# Allegro board 8880F5-0823_1_maisha.brd (continued)
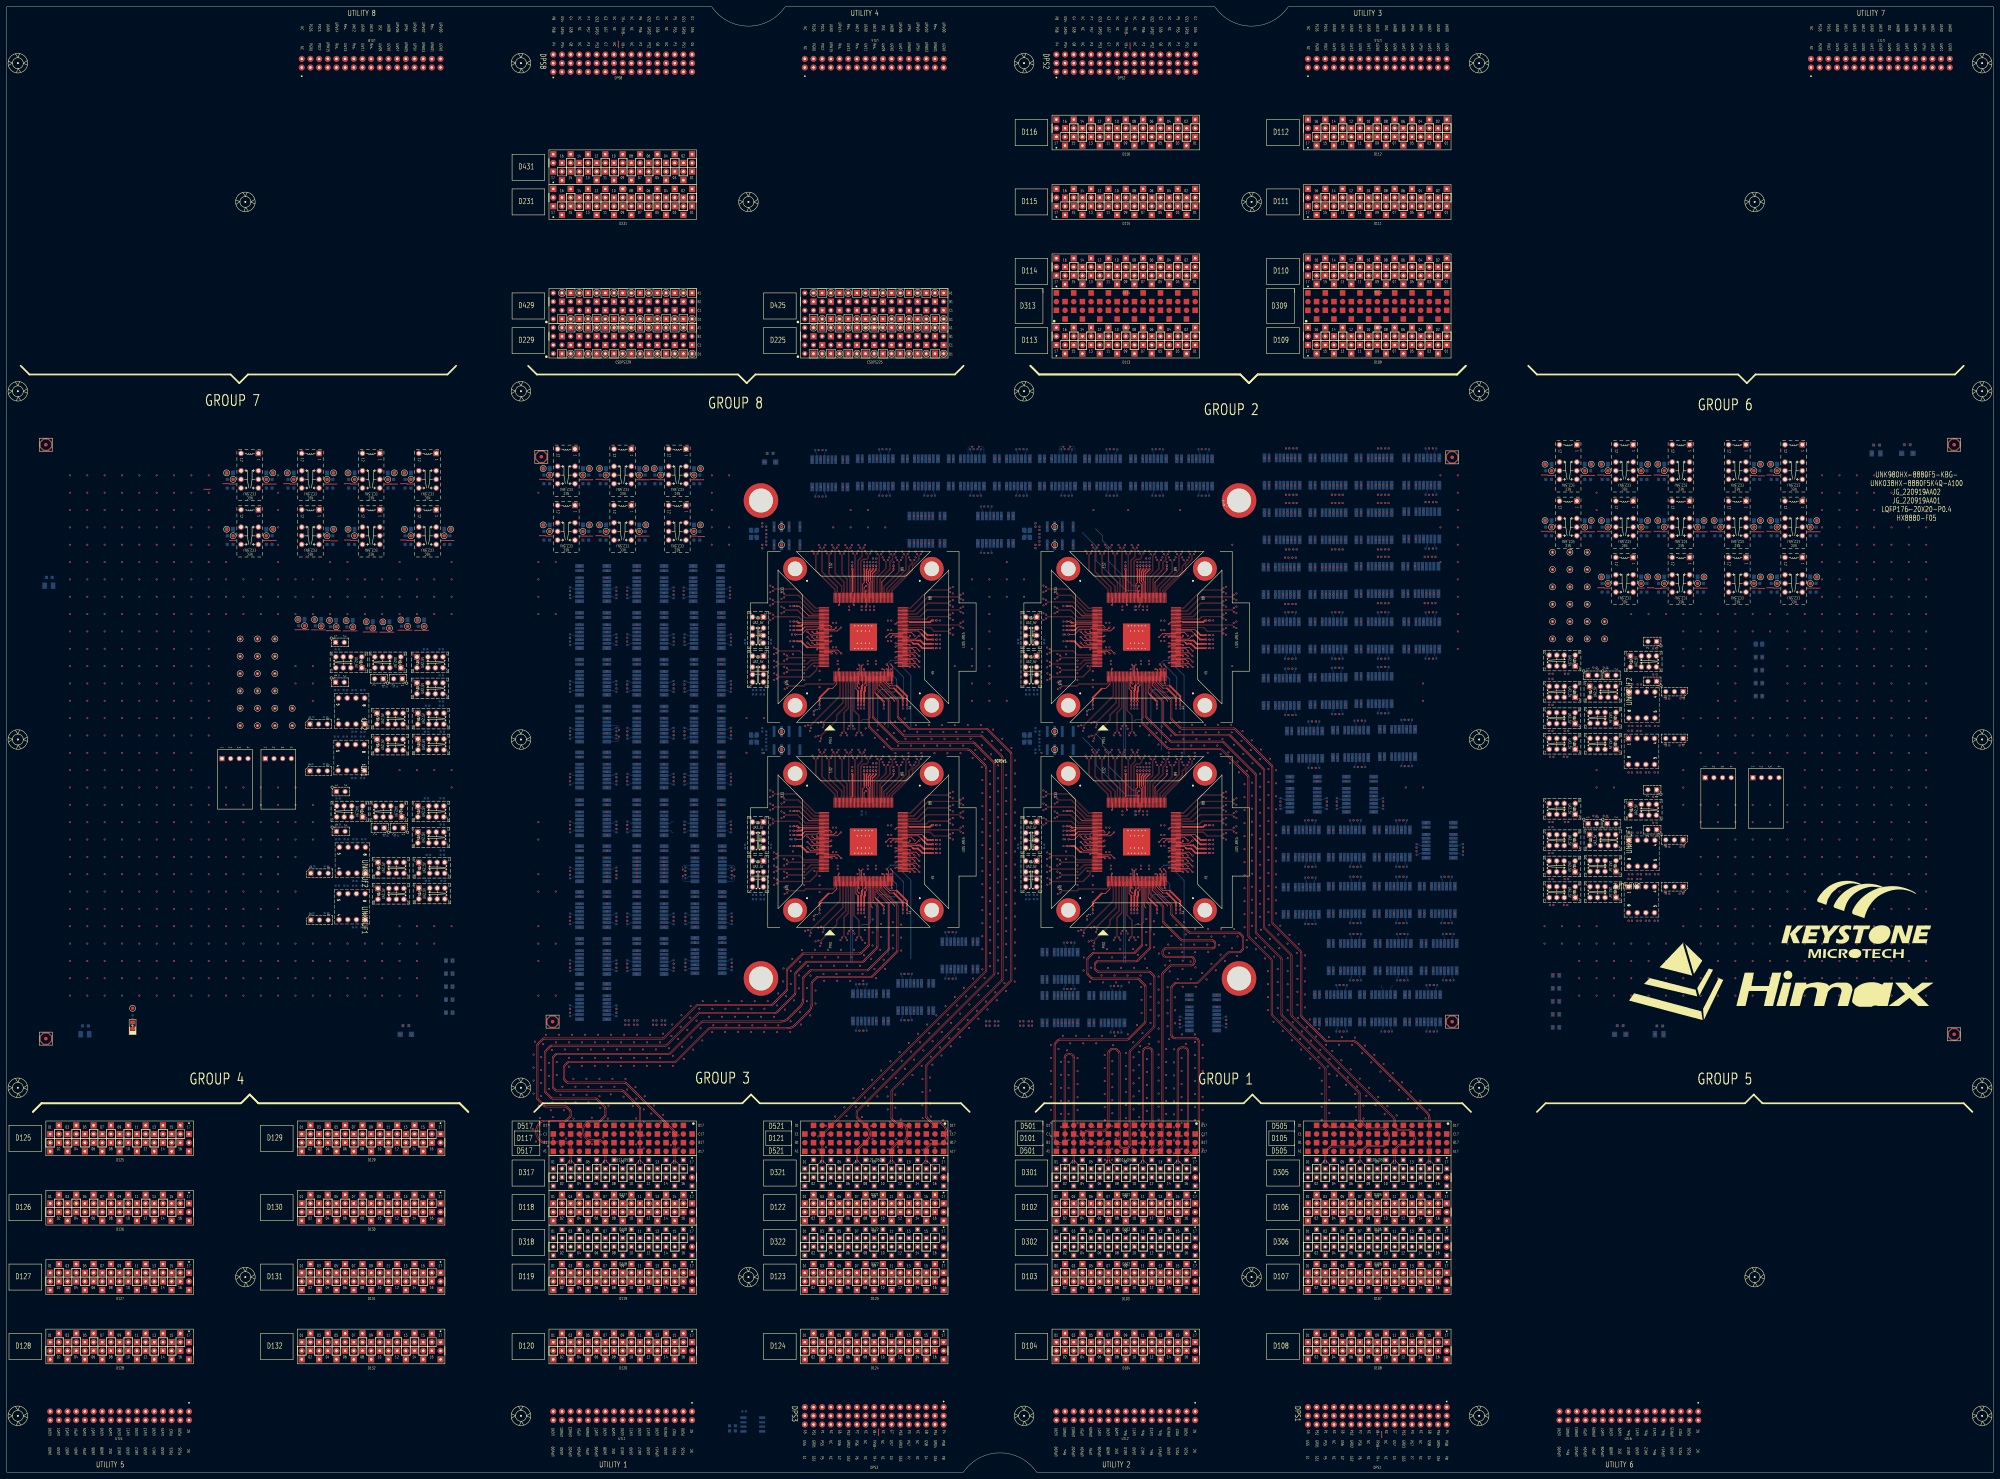
[diagram p0: board, top side]
## Routing (per net, layer and track width the routed paths; a pad name or vN(x,y) marks a point on that pad's centre or on a via; arc(x,y) is an arc through that point) (continued)
  BOTTOM w0.119: v1(179.25,215.49) 179.25,214.56 arc(179.09,214.17) 178.7,214 K1.G5 ; v1(213.04,176.52) 213.04,177.36 arc(212.92,177.64) 212.64,177.76 UNK3K27.G3 ; v1(284.64,300.41) 285.57,300.41 arc(285.96,300.25) 286.12,299.85 K21.G5 ; CC40.2 v1(257.99,246.67) ; v1(309.38,300.41) 308.54,300.41 arc(308.26,300.3) 308.14,300.02 K4.G3 ; UNK3K27.G6 198.49,173.11 arc(198.1,173.27) 197.94,173.67 v1(197.94,174.59) ; UNK3K27.G8 198.33,177.76 arc(198.05,177.64) 197.94,177.36 v1(197.94,176.52) ; v1(311.31,300.41) 312.24,300.41 arc(312.63,300.25) 312.79,299.85 K4.G5 ; v1(179.25,217.42) 179.25,218.26 arc(179.14,218.54) 178.86,218.65 K1.G3 ; v1(213.04,174.59) 213.04,173.67 arc(212.87,173.27) 212.48,173.11 UNK3K27.G5 ; K21.G3 281.47,300.02 arc(281.59,300.3) 281.87,300.41 v1(282.71,300.41)
  BOTTOM w0.381: v1(230.42,187.93) UNK3CC4.2 ; v1(256.77,224.73) CC13.2 ; v1(272.24,243.91) CC33.2 ; CC32.2 v1(262.36,224.73) ; UNK3CD11.2 v1(259.65,205.56) UNK3CC28.2 ; v1(310.42,187.93) UNK4CC4.2 ; UNK2CD11.2 v1(339.65,265.56) UNK2CC28.2 ; UNK2CC17.2 v1(310.42,253.69) UNK2CD12.2 ; CC30.2 v1(230.42,243.41) CD19.2 ; v1(250.17,164.73) UNK3CC6.2 ; v1(253.72,205.56) UNK3CC26.2 ; UNK4CC27.2 v1(352.24,189.5) UNK4CD10.2 ; v1(272.24,181.37) UNK3CC35.2 ; UNK2CC8.2 v1(343.63,224.73) ; v1(317.98,164.73) UNK4CC1.2 ; UNK4CD15.2 v1(352.24,185.18) UNK4CC25.2 ; CC28.2 v1(259.65,265.56) CD11.2 ; v1(330.17,164.73) UNK4CC6.2 ; v1(237.98,164.73) UNK3CC1.2 ; UNK3CD24.2 v1(247.57,205.56) UNK3CC38.2 ; UNK3CC41.2 v1(230.42,189.2) UNK3CD25.2 ; v1(331.94,205.56) UNK4CC34.2 ; v1(331.06,224.73) UNK2CC11.2 ; v1(230.42,186.66) UNK3CC7.2 ; v1(331.94,265.56) UNK2CC34.2 ; UNK4CC17.2 v1(310.42,193.69) UNK4CD12.2 ; v1(230.42,247.93) CC4.2 ; v1(331.06,164.73) UNK4CC11.2 ; v1(310.42,186.66) UNK4CC7.2 ; CD24.2 v1(247.57,265.56) CC38.2 ; UNK2CC38.2 v1(327.57,265.56) UNK2CD24.2 ; UNK2CD10.2 v1(352.24,249.5) UNK2CC27.2 ; v1(352.24,243.91) UNK2CC33.2 ; v1(334.61,265.56) UNK2CC9.2 ; v1(272.24,241.37) CC35.2 ; v1(330.17,224.73) UNK2CC6.2 ; CC8.2 v1(263.63,224.73) ; v1(333.72,205.56) UNK4CC26.2 ; CC27.2 v1(272.24,249.5) CD10.2 ; v1(250.17,224.73) CC6.2 ; v1(310.42,247.93) UNK2CC4.2 ; UNK4CC8.2 v1(343.63,164.73) ; v1(317.98,224.73) UNK2CC1.2 ; UNK3CC27.2 v1(272.24,189.5) UNK3CD10.2 ; v1(230.42,246.66) CC7.2 ; UNK4CC30.2 v1(310.42,183.41) UNK4CD19.2 ; UNK2CC25.2 v1(352.24,245.18) UNK2CD15.2 ; UNK3CC30.2 v1(230.42,183.41) UNK3CD19.2 ; UNK4CC38.2 v1(327.57,205.56) UNK4CD24.2 ; UNK4CC28.2 v1(339.65,205.56) UNK4CD11.2 ; v1(237.98,224.73) CC1.2 ; v1(249.28,164.73) UNK3CC31.2 ; v1(336.77,224.73) UNK2CC13.2 ; CD12.2 v1(230.42,253.69) CC17.2 ; UNK3CD15.2 v1(272.24,185.18) UNK3CC25.2 ; v1(251.05,265.56) CC22.2 ; v1(254.61,265.56) CC9.2 ; CC25.2 v1(272.24,245.18) CD15.2 ; v1(329.28,164.73) UNK4CC31.2 ; v1(272.24,182.64) UNK3CC36.2 ; UNK4CC41.2 v1(310.42,189.2) UNK4CD25.2 ; UNK3CC8.2 v1(263.63,164.73) ; v1(272.24,183.91) UNK3CC33.2 ; v1(256.77,164.73) UNK3CC13.2 ; v1(352.24,241.37) UNK2CC35.2 ; UNK3CC32.2 v1(262.36,164.73) ; CC41.2 v1(230.42,249.2) CD25.2 ; v1(336.77,164.73) UNK4CC13.2 ; v1(272.24,242.64) CC36.2 ; v1(352.24,181.37) UNK4CC35.2 ; v1(249.28,224.73) CC31.2 ; UNK2CD25.2 v1(310.42,249.2) UNK2CC41.2 ; v1(252.83,265.56) CC19.2 ; v1(251.94,265.56) CC34.2 ; UNK4CC32.2 v1(342.36,164.73) ; v1(254.61,205.56) UNK3CC9.2 ; v1(352.24,182.64) UNK4CC36.2 ; v1(310.42,246.66) UNK2CC7.2 ; UNK3CC17.2 v1(230.42,193.69) UNK3CD12.2 ; v1(333.72,265.56) UNK2CC26.2 ; v1(332.83,205.56) UNK4CC19.2 ; v1(251.06,224.73) CC11.2 ; v1(331.05,205.56) UNK4CC22.2 ; v1(332.83,265.56) UNK2CC19.2 ; v1(334.61,205.56) UNK4CC9.2 ; UNK2CC30.2 v1(310.42,243.41) UNK2CD19.2 ; v1(352.24,242.64) UNK2CC36.2 ; v1(331.05,265.56) UNK2CC22.2 ; v1(251.94,205.56) UNK3CC34.2 ; v1(251.06,164.73) UNK3CC11.2 ; UNK2CC32.2 v1(342.36,224.73) ; v1(252.83,205.56) UNK3CC19.2 ; v1(352.24,183.91) UNK4CC33.2 ; v1(251.05,205.56) UNK3CC22.2 ; v1(329.28,224.73) UNK2CC31.2 ; v1(253.72,265.56) CC26.2
  vias: v1(18.48,292.01) v1(18.48,286.93) v1(18.48,281.85) v1(18.48,276.77) v1(18.48,271.69) v1(18.48,266.61) v1(18.48,261.53) v1(18.48,256.45) v1(18.48,251.37) v1(18.48,246.29) v1(18.48,241.21) v1(18.48,236.13) v1(18.48,231.05) v1(18.48,225.97) v1(18.48,220.89) v1(18.48,215.81) v1(18.48,210.73) v1(18.48,205.65) v1(18.48,200.57) v1(18.48,195.49) v1(18.48,190.41) v1(18.48,185.33) v1(18.48,180.25) v1(18.48,175.17) v1(18.48,170.09) v1(18.48,165.01) v1(18.48,159.93) v1(18.48,154.85) v1(18.48,149.77) v1(18.48,144.69) v1(18.48,139.61) v1(23.56,292.01) v1(23.56,286.93) v1(23.56,281.85) v1(23.56,276.77) v1(23.56,271.69) v1(23.56,266.61) v1(23.56,261.53) v1(23.56,256.45) v1(23.56,251.37) v1(23.56,246.29) v1(23.56,241.21) v1(23.56,236.13) v1(23.56,231.05) v1(23.56,225.97) v1(23.56,220.89) v1(23.56,215.81) v1(23.56,210.73) v1(23.56,205.65) v1(23.56,200.57) v1(23.56,195.49) v1(23.56,190.41) v1(23.56,185.33) v1(23.56,180.25) v1(23.56,175.17) v1(23.56,170.09) v1(23.56,165.01) v1(23.56,159.93) v1(23.56,154.85) v1(23.56,149.77) v1(23.56,144.69) v1(23.56,139.61) v1(28.64,292.01) v1(28.64,286.93) v1(28.64,281.85) v1(28.64,276.77) v1(28.64,271.69) v1(28.64,266.61) v1(28.64,261.53) v1(28.64,256.45) v1(28.64,251.37) v1(28.64,246.29) v1(28.64,241.21) v1(28.64,236.13) v1(28.64,231.05) v1(28.64,225.97) v1(28.64,220.89) v1(28.64,215.81) v1(28.64,210.73) v1(28.64,205.65) v1(28.64,200.57) v1(28.64,195.49) v1(28.64,190.41) v1(28.64,185.33) v1(28.64,180.25) v1(28.64,175.17) v1(28.64,170.09) v1(28.64,165.01) v1(28.64,159.93) v1(28.64,154.85) v1(28.64,149.77) v1(28.64,144.69) v1(28.64,139.61) v1(33.72,292.01) v1(33.72,286.93) v1(33.72,281.85) v1(33.72,276.77) v1(33.72,271.69) v1(33.72,266.61) v1(33.72,261.53) v1(33.72,256.45) v1(33.72,251.37) v1(33.72,246.29) v1(33.72,241.21) v1(33.72,236.13) v1(33.72,231.05) v1(33.72,225.97) v1(33.72,220.89) v1(33.72,215.81) v1(33.72,210.73) v1(33.72,205.65) v1(33.72,200.57) v1(33.72,195.49) v1(33.72,190.41) v1(33.72,185.33) v1(33.72,180.25) v1(33.72,175.17) v1(33.72,170.09) v1(33.72,165.01) v1(33.72,159.93) v1(33.72,154.85) v1(33.72,149.77) v1(33.72,144.69) v1(33.72,139.61) v1(38.8,292.01) v1(38.8,286.93) v1(38.8,281.85) v1(38.8,276.77) v1(38.8,271.69) v1(38.8,266.61) v1(38.8,261.53) v1(38.8,256.45) v1(38.8,251.37) v1(38.8,246.29) v1(38.8,241.21) v1(38.8,236.13) v1(38.8,231.05) v1(38.8,225.97) v1(38.8,220.89) v1(38.8,215.81) v1(38.8,210.73) v1(38.8,205.65) v1(38.8,200.57) v1(38.8,195.49) v1(38.8,190.41) v1(38.8,185.33) v1(38.8,180.25) v1(38.8,175.17) v1(38.8,170.09) v1(38.8,165.01) v1(38.8,159.93) v1(38.8,154.85) v1(38.8,149.77) v1(38.8,144.69) v1(38.8,139.61) v1(43.88,292.01) v1(43.88,286.93) v1(43.88,281.85) v1(43.88,276.77) v1(43.88,271.69) v1(43.88,266.61) v1(43.88,261.53) v1(43.88,256.45) v1(43.88,251.37) v1(43.88,246.29) v1(43.88,241.21) v1(43.88,236.13) v1(43.88,231.05) v1(43.88,225.97) v1(43.88,220.89) v1(43.88,215.81) v1(43.88,210.73) v1(43.88,205.65) v1(43.88,200.57) v1(43.88,195.49) v1(43.88,190.41) v1(43.88,185.33) v1(43.88,180.25) v1(43.88,175.17) v1(43.88,170.09) v1(43.88,165.01) v1(43.88,159.93) v1(43.88,154.85) v1(43.88,149.77) v1(43.88,144.69) v1(43.88,139.61) v1(48.96,292.01) v1(48.96,286.93) v1(48.96,281.85) v1(48.96,276.77) v1(48.96,271.69) v1(48.96,266.61) v1(48.96,261.53) v1(48.96,256.45) v1(48.96,251.37) v1(48.96,246.29) v1(48.96,241.21) v1(48.96,236.13) v1(48.96,231.05) v1(48.96,225.97) v1(48.96,220.89) v1(48.96,215.81) v1(48.96,210.73) v1(48.96,205.65) v1(48.96,200.57) v1(48.96,195.49) v1(48.96,190.41) v1(48.96,185.33) v1(48.96,180.25) v1(48.96,175.17) v1(48.96,170.09) v1(48.96,165.01) v1(48.96,159.93) v1(48.96,154.85) v1(48.96,149.77) v1(48.96,144.69) v1(48.96,139.61) v1(54.04,292.01) v1(54.04,286.93) v1(54.04,281.85) v1(54.04,276.77) v1(54.04,271.69) v1(54.04,266.61) v1(54.04,261.53) v1(54.04,256.45) v1(54.04,251.37) v1(54.04,246.29) v1(54.04,241.21) v1(54.04,236.13) v1(54.04,231.05) v1(54.04,225.97) v1(54.04,220.89) v1(54.04,215.81) v1(54.04,210.73) v1(54.04,205.65) v1(54.04,200.57) v1(54.04,195.49) v1(54.04,190.41) v1(54.04,185.33) v1(54.04,180.25) v1(54.04,175.17) v1(54.04,170.09) v1(54.04,165.01) v1(54.04,159.93) v1(54.04,154.85) v1(54.04,149.77) v1(54.04,144.69) v1(54.04,139.61) v1(59.12,292.01) v1(59.12,286.93) v1(59.12,281.85) v1(59.12,276.77) v1(59.12,271.69) v1(59.12,266.61) v1(59.12,261.53) v1(59.12,256.45) v1(59.12,251.37) v1(59.12,246.29) v1(59.12,241.21) v1(59.12,236.13) v1(59.12,231.05) v1(59.12,225.97) v1(59.12,220.89) v1(59.12,215.81) v1(59.12,200.57) v1(59.12,195.49) v1(59.12,190.41) v1(59.12,185.33) v1(59.12,180.25) v1(59.12,175.17) v1(59.12,170.09) v1(59.12,165.01) v1(59.12,159.93) v1(59.12,154.85) v1(59.12,149.77) v1(59.12,144.69) v1(59.12,139.61) v1(64.2,266.61) v1(64.2,261.53) v1(64.2,256.45) v1(64.2,251.37) v1(64.2,200.57) v1(64.2,195.49) v1(64.2,190.41) v1(64.2,185.33) v1(64.2,180.25) v1(64.2,175.17) v1(64.2,170.09) v1(64.2,165.01) v1(64.2,159.93) v1(64.2,154.85) v1(64.2,149.77) v1(64.2,144.69) v1(64.2,139.61) v1(69.28,261.53) v1(69.28,256.45) v1(69.28,251.37) v1(69.28,200.57) v1(69.28,195.49) v1(69.28,190.41) v1(69.28,185.33) v1(69.28,180.25) v1(69.28,175.17) v1(69.28,170.09) v1(69.28,165.01) v1(69.28,159.93) v1(69.28,154.85) v1(69.28,149.77) v1(69.28,144.69) v1(69.28,139.61) v1(74.36,261.53) v1(74.36,256.45) v1(74.36,251.37) v1(74.36,200.57) v1(74.36,195.49) v1(74.36,190.41) v1(74.36,185.33) v1(74.36,180.25) v1(74.36,175.17) v1(74.36,170.09) v1(74.36,165.01) v1(74.36,159.93) v1(74.36,154.85) v1(74.36,149.77) v1(74.36,144.69) v1(74.36,139.61) v1(79.44,292.01) v1(79.44,286.93) v1(79.44,281.85) v1(79.44,276.77) v1(79.44,271.69) v1(79.44,266.61) v1(79.44,261.53) v1(79.44,256.45) v1(79.44,251.37) v1(79.44,200.57) v1(79.44,195.49) v1(79.44,190.41) v1(79.44,185.33) v1(79.44,180.25) v1(79.44,175.17) v1(79.44,170.09) v1(79.44,165.01) v1(79.44,159.93) v1(79.44,154.85) v1(79.44,149.77) v1(79.44,144.69) v1(79.44,139.61) v1(84.52,261.53) v1(84.52,256.45) v1(84.52,251.37) v1(84.52,236.13) v1(84.52,231.05) v1(84.52,200.57) v1(84.52,195.49) v1(84.52,190.41) v1(84.52,185.33) v1(84.52,180.25) v1(84.52,170.09) v1(84.52,154.85) v1(84.52,149.77) v1(84.52,144.69) v1(84.52,139.61) v1(89.6,261.53) v1(89.6,256.45) v1(89.6,251.37) v1(89.6,236.13) v1(89.6,231.05) v1(89.6,225.97) v1(89.6,195.49) v1(89.6,190.41) v1(89.6,185.33) v1(89.6,154.85) v1(89.6,149.77) v1(89.6,144.69) v1(89.6,139.61) v1(94.68,266.61) v1(94.68,261.53) v1(94.68,256.45) v1(94.68,251.37) v1(94.68,154.85) v1(94.68,149.77) v1(94.68,144.69) v1(94.68,139.61) v1(99.76,266.61) v1(99.76,261.53) v1(99.76,256.45) v1(99.76,251.37) v1(99.76,154.85) v1(99.76,149.77) v1(99.76,144.69) v1(99.76,139.61) v1(104.84,261.53) v1(104.84,256.45) v1(104.84,251.37) v1(104.84,154.85) v1(104.84,149.77) v1(104.84,144.69) v1(104.84,139.61) v1(109.92,261.53) v1(109.92,256.45) v1(109.92,251.37) v1(109.92,154.85) v1(109.92,149.77) v1(109.92,144.69) v1(109.92,139.61) v1(115,266.61) v1(115,261.53) v1(115,256.45) v1(115,251.37) v1(115,205.65) v1(115,159.93) v1(115,154.85) v1(115,149.77) v1(115,144.69) v1(115,139.61) v1(120.08,261.53) v1(120.08,256.45) v1(120.08,251.37) v1(120.08,205.65) v1(120.08,159.93) v1(120.08,154.85) v1(120.08,149.77) v1(120.08,144.69) v1(120.08,139.61) v1(125.16,261.53) v1(125.16,256.45) v1(125.16,251.37) v1(125.16,205.65) v1(125.16,159.93) v1(125.16,154.85) v1(128.57,142.24) v1(130.24,266.61) v1(130.24,261.53) v1(130.24,256.45) v1(130.24,251.37) v1(130.24,205.65) v1(130.24,200.57) v1(130.24,159.93) v1(130.51,149.86) v1(130.51,146.05) v1(130.51,138.43) v1(130.51,134.62) v1(153.98,100.56) v1(154.24,122.34) v1(154.24,118.53) v1(154.24,114.72) v1(154.24,110.91) v1(154.64,126.13) v1(154.95,96.87) v1(155.64,286.93) v1(155.64,266.61) v1(155.64,261.53) v1(155.64,256.45) v1(155.64,251.37) v1(155.64,190.41) v1(155.64,185.33) v1(155.64,175.17) v1(155.64,170.09) v1(155.64,159.93) v1(155.64,154.85) v1(155.64,149.77) v1(155.64,139.61) v1(155.74,107.41) v1(156.07,103.75) v1(156.28,98.9) v1(156.46,121.61) v1(156.46,117.8) v1(156.46,113.99) v1(156.46,110.18) v1(157.03,125.37) v1(157.87,128.15) v1(158.51,95.5) v1(158.76,119.92) v1(158.76,116.11) v1(158.76,112.3) v1(158.78,101.78) v1(159.29,106.02) v1(159.61,123.63) v1(159.75,108.25) v1(159.87,104) v1(159.91,97.73) v1(160.72,266.61) v1(160.72,251.37) v1(160.72,170.09) v1(160.72,154.85) v1(160.72,139.61) v1(160.8,125.92) v1(161.03,120.15) v1(161.03,116.34) v1(161.68,128.15) v1(162.14,110.55) v1(162.32,95.5) v1(162.68,112.9) v1(162.59,101.78) v1(163.1,106.02) v1(163.42,123.83) v1(163.56,108.25) v1(163.72,97.73) v1(164.56,118.8) v1(164.61,125.92) v1(164.64,121.37) v1(165.49,128.15) v1(165.91,115.24) v1(165.95,110.55) v1(165.94,103.58) v1(166.49,112.9) v1(166.51,108.33) v1(167.23,123.83) v1(167.7,265.45) v1(167.7,262) v1(167.7,259.8) v1(167.7,257.6) v1(167.7,255.15) v1(167.7,251.73) v1(167.7,248.28) v1(167.7,246.08) v1(167.7,243.88) v1(167.7,241.43) v1(167.7,238.02) v1(167.7,234.57) v1(167.7,232.37) v1(167.7,230.17) v1(167.7,227.72) v1(167.7,224.3) v1(167.7,220.85) v1(167.7,218.65) v1(167.7,216.45) v1(167.7,214) v1(167.7,210.84) v1(167.7,207.39) v1(167.7,205.19) v1(167.7,202.99) v1(167.7,200.54) v1(167.7,196.87) v1(167.7,193.42) v1(167.7,191.22) v1(167.7,189.02) v1(167.7,186.57) v1(167.7,183.41) v1(167.7,179.96) v1(167.7,177.76) v1(167.7,175.56) v1(167.7,173.11) v1(167.7,169.95) v1(167.7,166.5) v1(167.7,164.3) v1(167.7,162.1) v1(167.7,159.65) v1(167.7,156.23) v1(167.7,152.78) v1(167.7,150.58) v1(167.7,148.38) v1(167.7,145.93) v1(167.7,143.02) v1(167.7,139.57) v1(167.7,137.37) v1(167.7,135.17) v1(167.7,132.72) v1(168.02,101.89) v1(168.11,98.08) v1(168.36,119.03) v1(168.42,125.92) v1(168.45,121.37) v1(169.3,128.15) v1(169.72,115.24) v1(169.76,110.55) v1(170.3,112.9) v1(170.32,108.33) v1(170.84,98.3) v1(171.04,123.83) v1(171.29,103.85) v1(171.35,96.08) v1(172.17,119.03) v1(172.23,125.92) v1(172.26,121.37) v1(172.71,101.63) v1(172.72,90.11) v1(173.11,128.15) v1(173.53,115.24) v1(173.55,110.11) v1(173.78,106.74) v1(174.11,112.9) v1(174.64,98.01) v1(174.85,123.83) v1(175.7,265.45) v1(175.7,262) v1(175.7,259.8) v1(175.7,257.6) v1(175.7,255.15) v1(175.7,251.73) v1(175.7,248.28) v1(175.7,246.08) v1(175.7,243.88) v1(175.7,241.43) v1(175.7,238.02) v1(175.7,234.57) v1(175.7,232.37) v1(175.7,230.17) v1(175.7,227.72) v1(175.7,224.3) v1(175.7,220.85) v1(175.7,216.45) v1(175.7,210.84) v1(175.7,207.39) v1(175.7,205.19) v1(175.7,202.99) v1(175.7,200.54) v1(175.7,196.87) v1(175.7,193.42) v1(175.7,191.22) v1(175.7,189.02) v1(175.7,186.57) v1(175.7,183.41) v1(175.7,179.96) v1(175.7,177.76) v1(175.7,175.56) v1(175.7,173.11) v1(175.7,169.95) v1(175.7,166.5) v1(175.7,164.3) v1(175.7,162.1) v1(175.7,159.65) v1(175.7,156.23) v1(175.7,152.78) v1(175.7,150.58) v1(175.7,148.38) v1(175.7,145.93) v1(175.7,143.02) v1(175.7,139.57) v1(175.7,137.37) v1(175.7,135.17) v1(175.7,132.72) v1(176.04,125.92) v1(176.07,121.37) v1(175.98,119.03) v1(175.99,103.56) v1(176.19,107.37) v1(176.85,110.68) v1(176.92,128.15) v1(177.34,115.24) v1(177.92,112.9) v1(178.66,123.83) v1(179.85,125.92) v1(179.79,119.03) v1(179.88,121.37) v1(180.6,109.99) v1(180.73,128.15) v1(181.15,115.23) v1(181.64,112.09) v1(182.47,123.83) v1(183.29,107.29) v1(183.65,131.06) v1(183.66,125.92) v1(183.6,119.03) v1(183.69,121.37) v1(184.09,112.81) v1(184.33,109.4) v1(184.28,103.61) v1(184.28,99.8) v1(184.28,95.99) v1(184.47,265.45) v1(184.47,262) v1(184.47,259.8) v1(184.47,257.6) v1(184.47,255.15) v1(184.47,251.73) v1(184.47,248.28) v1(184.47,246.08) v1(184.47,243.88) v1(184.47,241.43) v1(184.47,238.02) v1(184.47,234.57) v1(184.47,232.37) v1(184.47,230.17) v1(184.47,227.72) v1(184.47,224.3) v1(184.47,220.85) v1(184.47,218.65) v1(184.47,216.45) v1(184.47,214) v1(184.47,210.84) v1(184.47,207.39) v1(184.47,205.19) v1(184.47,202.99) v1(184.47,200.54) v1(184.47,196.87) v1(184.47,193.42) v1(184.47,191.22) v1(184.47,189.02) v1(184.47,186.57) v1(184.47,183.41) v1(184.47,179.96) v1(184.47,177.76) v1(184.47,175.56) v1(184.47,173.11) v1(184.47,169.95) v1(184.47,166.5) v1(184.47,164.3) v1(184.47,162.1) v1(184.47,159.65) v1(184.47,156.23) v1(184.47,152.78) v1(184.47,150.58) v1(184.47,148.38) v1(184.47,145.93) v1(184.54,128.15) v1(186.28,123.83) v1(186.51,106.27) v1(186.51,102.46) v1(186.51,98.65) v1(186.51,94.84) v1(186.79,110.11) v1(187.47,125.92) v1(187.41,119.03) v1(187.5,121.37) v1(188.35,128.15) v1(188.71,105.04) v1(189.48,107.42) v1(190.09,123.83) v1(191.22,119.03) v1(191.28,125.92) v1(191.31,121.37) v1(191.41,102.35) v1(191.78,131.06) v1(192.15,128.46) v1(192.17,104.73) v1(192.47,265.45) v1(192.47,262) v1(192.47,259.8) v1(192.47,257.6) v1(192.47,255.15) v1(192.47,251.73) v1(192.47,248.28) v1(192.47,246.08) v1(192.47,243.88) v1(192.47,241.43) v1(192.47,238.02) v1(192.47,234.57) v1(192.47,232.37) v1(192.47,230.17) v1(192.47,227.72) v1(192.47,224.3) v1(192.47,220.85) v1(192.47,218.65) v1(192.47,216.45) v1(192.47,214) v1(192.47,210.84) v1(192.47,207.39) v1(192.47,205.19) v1(192.47,202.99) v1(192.47,200.54) v1(192.47,196.87) v1(192.47,193.42) v1(192.47,191.22) v1(192.47,189.02) v1(192.47,186.57) v1(192.47,183.41) v1(192.47,179.96) v1(192.47,177.76) v1(192.47,175.56) v1(192.47,173.11) v1(192.47,169.95) v1(192.47,166.5) v1(192.47,164.3) v1(192.47,162.1) v1(192.47,159.65) v1(192.47,156.23) v1(192.47,152.78) v1(192.47,150.58) v1(192.47,148.38) v1(192.47,145.93) v1(193.88,124.19) v1(194.1,99.65) v1(194.44,95.86) v1(194.61,127.77) v1(194.85,131.15) v1(194.87,102.03) v1(195.07,121.95) v1(195.03,119.03) v1(196.58,126.88) v1(196.67,98.67) v1(196.67,94.86) v1(197.31,130.47) v1(197.54,133.85) v1(197.77,124.65) v1(198.25,121.07) v1(199.28,129.57) v1(200,133.16) v1(200.23,136.54) v1(200.46,127.34) v1(200.98,265.45) v1(200.98,262) v1(200.98,259.8) v1(200.98,257.6) v1(200.98,255.15) v1(200.94,123.77) v1(201.23,251.73) v1(201.23,248.28) v1(201.23,246.08) v1(201.23,243.88) v1(201.23,241.43) v1(201.23,238.02) v1(201.23,234.57) v1(201.23,232.37) v1(201.23,230.17) v1(201.23,227.72) v1(201.23,224.3) v1(201.23,220.85) v1(201.23,218.65) v1(201.23,216.45) v1(201.23,214) v1(201.23,210.84) v1(201.23,207.39) v1(201.23,205.19) v1(201.23,202.99) v1(201.23,200.54) v1(201.23,196.87) v1(201.23,193.42) v1(201.23,191.22) v1(201.23,189.02) v1(201.23,186.57) v1(201.49,183.41) v1(201.49,179.96) v1(201.49,175.56) v1(201.49,169.95) v1(201.49,166.5) v1(201.49,164.3) v1(201.49,162.1) v1(201.49,159.65) v1(201.49,156.48) v1(201.49,153.03) v1(201.49,150.83) v1(201.49,148.63) v1(201.49,146.18) v1(201.97,132.26) v1(202.79,135.76) v1(203.16,130.04) v1(203.63,126.46) v1(203.76,137.99) v1(205.6,133.41) v1(206.44,292.01) v1(206.44,286.93) v1(206.44,281.85) v1(206.44,276.77) v1(206.44,271.69) v1(206.53,128.94) v1(206.6,135.76) v1(206.87,130.9) v1(207.57,137.99) v1(208.98,265.45) v1(208.98,262) v1(208.98,259.8) v1(208.98,257.6) v1(208.98,255.15) v1(209.23,251.73) v1(209.23,248.28) v1(209.23,246.08) v1(209.23,243.88) v1(209.23,241.43) v1(209.23,238.02) v1(209.23,234.57) v1(209.23,232.37) v1(209.23,230.17) v1(209.23,227.72) v1(209.23,224.3) v1(209.23,220.85) v1(209.23,218.65) v1(209.23,216.45) v1(209.23,214) v1(209.23,210.84) v1(209.23,207.39) v1(209.23,205.19) v1(209.23,202.99) v1(209.23,200.54) v1(209.23,196.87) v1(209.23,193.42) v1(209.23,191.22) v1(209.23,189.02) v1(209.23,186.57) v1(209.41,133.41) v1(209.49,183.41) v1(209.49,179.96) v1(209.49,175.56) v1(209.49,169.95) v1(209.49,166.5) v1(209.49,164.3) v1(209.49,162.1) v1(209.49,159.65) v1(209.49,156.48) v1(209.49,153.03) v1(209.49,150.83) v1(209.49,148.63) v1(209.49,146.18) v1(210.34,128.94) v1(210.41,135.76) v1(210.68,130.9) v1(211.38,137.99) v1(211.52,292.01) v1(211.52,276.77) v1(211.52,271.69) v1(213.22,133.41) v1(214.15,128.94) v1(214.22,135.76) v1(214.49,130.9) v1(215.19,137.99) v1(216.6,220.89) v1(216.6,210.73) v1(217.03,133.41) v1(217.96,128.94) v1(218.03,135.76) v1(218.3,130.9) v1(219,137.99) v1(220.84,133.41) v1(221.21,277.98) v1(221.21,270.66) v1(221.68,220.89) v1(221.68,210.73) v1(221.77,128.94) v1(221.84,135.76) v1(222.11,130.9) v1(222.81,137.99) v1(224.65,133.41) v1(225.52,136.73) v1(225.58,128.94) v1(225.88,140.24) v1(225.92,130.9) v1(227.34,143.76) v1(227.43,147.57) v1(227.83,135.51) v1(228.21,139.43) v1(229.39,129.01) v1(229.57,146.8) v1(229.57,142.99) v1(229.54,132.07) v1(230.01,150.38) v1(230.53,138.2) v1(231.98,145.54) v1(231.98,141.73) v1(232.27,149.49) v1(232.24,134.76) v1(232.55,131.13) v1(232.81,152.95) v1(234.27,137.98) v1(234.31,141.79) v1(234.58,148.32) v1(235.25,133.82) v1(235.35,145.46) v1(235.85,296.61) v1(235.85,288.61) v1(235.84,150.82) v1(236.32,221.9) v1(236.32,161.9) v1(236.62,153.04) v1(236.81,141.11) v1(236.81,137.3) v1(237.68,98.37) v1(237.68,94.56) v1(238.3,296.61) v1(238.3,288.61) v1(238.39,148.37) v1(239.13,145.93) v1(239.35,143.95) v1(239.65,150.82) v1(239.87,101.49) v1(239.9,95.2) v1(240.43,153.04) v1(240.5,296.61) v1(240.5,288.61) v1(240.49,98.97) v1(242,276.77) v1(242.2,148.37) v1(242.56,104.18) v1(242.7,296.61) v1(242.7,288.61) v1(242.94,145.93) v1(243.16,143.95) v1(243.19,101.66) v1(243.46,150.82) v1(244.24,153.04) v1(245.26,106.88) v1(245.88,104.36) v1(246.01,148.37) v1(246.15,296.61) v1(246.15,288.61) v1(246.75,145.93) v1(246.97,143.95) v1(247.08,281.85) v1(247.08,276.77) v1(247.27,150.82) v1(247.78,140.14) v1(247.78,132.14) v1(247.95,109.57) v1(248.05,153.04) v1(248.57,107.05) v1(248.86,102.43) v1(249.15,296.86) v1(249.15,288.86) v1(249.49,96.48) v1(249.82,148.37) v1(250.23,140.14) v1(250.23,132.14) v1(250.34,252.59) v1(250.4,104.04) v1(250.56,145.93) v1(250.64,112.27) v1(250.78,143.95) v1(250.91,94.74) v1(251.04,151.4) v1(251.27,109.74) v1(251.32,162.63) v1(251.32,158.82) v1(251.32,155.01) v1(251.51,217.86) v1(251.52,99.7) v1(252.16,281.85) v1(252.16,276.77) v1(252.23,107.38) v1(252.43,140.14) v1(252.43,132.14) v1(252.6,296.86) v1(252.6,288.86) v1(253.11,150.31) v1(253.09,101.33) v1(253.34,114.96) v1(253.54,161.91) v1(253.54,158.1) v1(253.52,154.29) v1(253.49,97.55) v1(253.96,112.44) v1(254.07,147.41) v1(254.15,215.12) v1(254.51,144.73) v1(254.61,267.66) v1(254.61,207.66) v1(254.63,140.14) v1(254.63,132.14) v1(254.8,296.86) v1(254.8,288.86) v1(254.92,110.07) v1(254.99,217.43) v1(255.77,153.03) v1(256.03,160.64) v1(256.03,156.83) v1(256.03,117.65) v1(256.66,115.13) v1(256.77,150.1) v1(256.85,212.42) v1(257,296.86) v1(257,288.86) v1(257.06,219.26) v1(257.24,276.77) v1(257.2,147.42) v1(257.62,112.77) v1(257.68,214.73) v1(257.95,110.06) v1(257.95,106.25) v1(257.95,94.61) v1(257.99,186.67) v1(258.08,140.14) v1(258.08,132.14) v1(258.55,102.49) v1(258.73,120.35) v1(259.35,117.83) v1(259.45,296.86) v1(259.45,288.86) v1(259.44,161.08) v1(259.44,157.27) v1(259.44,153.46) v1(259.75,216.57) v1(260.12,219.87) v1(260.18,110.61) v1(260.18,106.8) v1(260.2,210.63) v1(260.31,115.46) v1(260.39,97.54) v1(261,212.85) v1(260.99,143.19) v1(260.99,135.19) v1(261,95.15) v1(261.42,123.04) v1(261.74,103.33) v1(261.9,160.42) v1(261.9,156.61) v1(261.9,152.8) v1(262.04,120.52) v1(262.04,100.97) v1(262.36,296.86) v1(262.36,288.86) v1(262.5,113.63) v1(262.82,217.17) v1(262.9,220.78) v1(263.01,118.16) v1(263.15,214.85) v1(263.44,143.19) v1(263.44,135.19) v1(264.01,210.63) v1(264.11,125.74) v1(264.29,280.1) v1(264.29,272.1) v1(264.32,97.01) v1(264.6,100.81) v1(264.74,123.21) v1(264.81,212.85) v1(265.19,116.33) v1(265.64,143.19) v1(265.64,135.19) v1(265.7,120.85) v1(265.81,296.86) v1(265.81,288.86) v1(266.17,218.85) v1(266.62,216.89) v1(266.74,280.1) v1(266.74,272.1) v1(266.81,128.43) v1(266.96,214.85) v1(267.43,125.91) v1(267.82,210.63) v1(267.84,143.19) v1(267.84,135.19) v1(267.89,119.02) v1(268.01,296.86) v1(268.01,288.86) v1(268.13,115.14) v1(268.13,111.33) v1(268.13,107.52) v1(268.13,94.45) v1(268.19,103.71) v1(268.39,123.55) v1(268.62,212.85) v1(268.94,280.1) v1(268.94,272.1) v1(269.5,131.12) v1(269.98,218.85) v1(270.13,128.6) v1(270.21,296.86) v1(270.21,288.86) v1(270.35,115.62) v1(270.35,111.81) v1(270.35,108) v1(270.43,216.89) v1(270.56,104.2) v1(270.58,121.72) v1(270.67,97.28) v1(270.77,214.85) v1(271.01,119.37) v1(271.07,101.21) v1(271.14,280.1) v1(271.14,272.1) v1(271.09,126.24) v1(271.29,143.19) v1(271.29,135.19) v1(271.63,210.63) v1(271.72,95.05) v1(272.2,133.82) 